# Altium PCB cam_cross_link_generic.PcbDoc (part 2 of 4)
Units mm, origin at the board's own origin, x right, y up, seen from the top; angles counter-clockwise.
Board outline 68.55 x 39.09 mm, 6 copper layers (Signal_T, GND_T, PWR, Signal_INT, GND_B, Signal_B), stack 0.816 mm thick; 173 components, 131 nets, 841 pads, 884 vias.
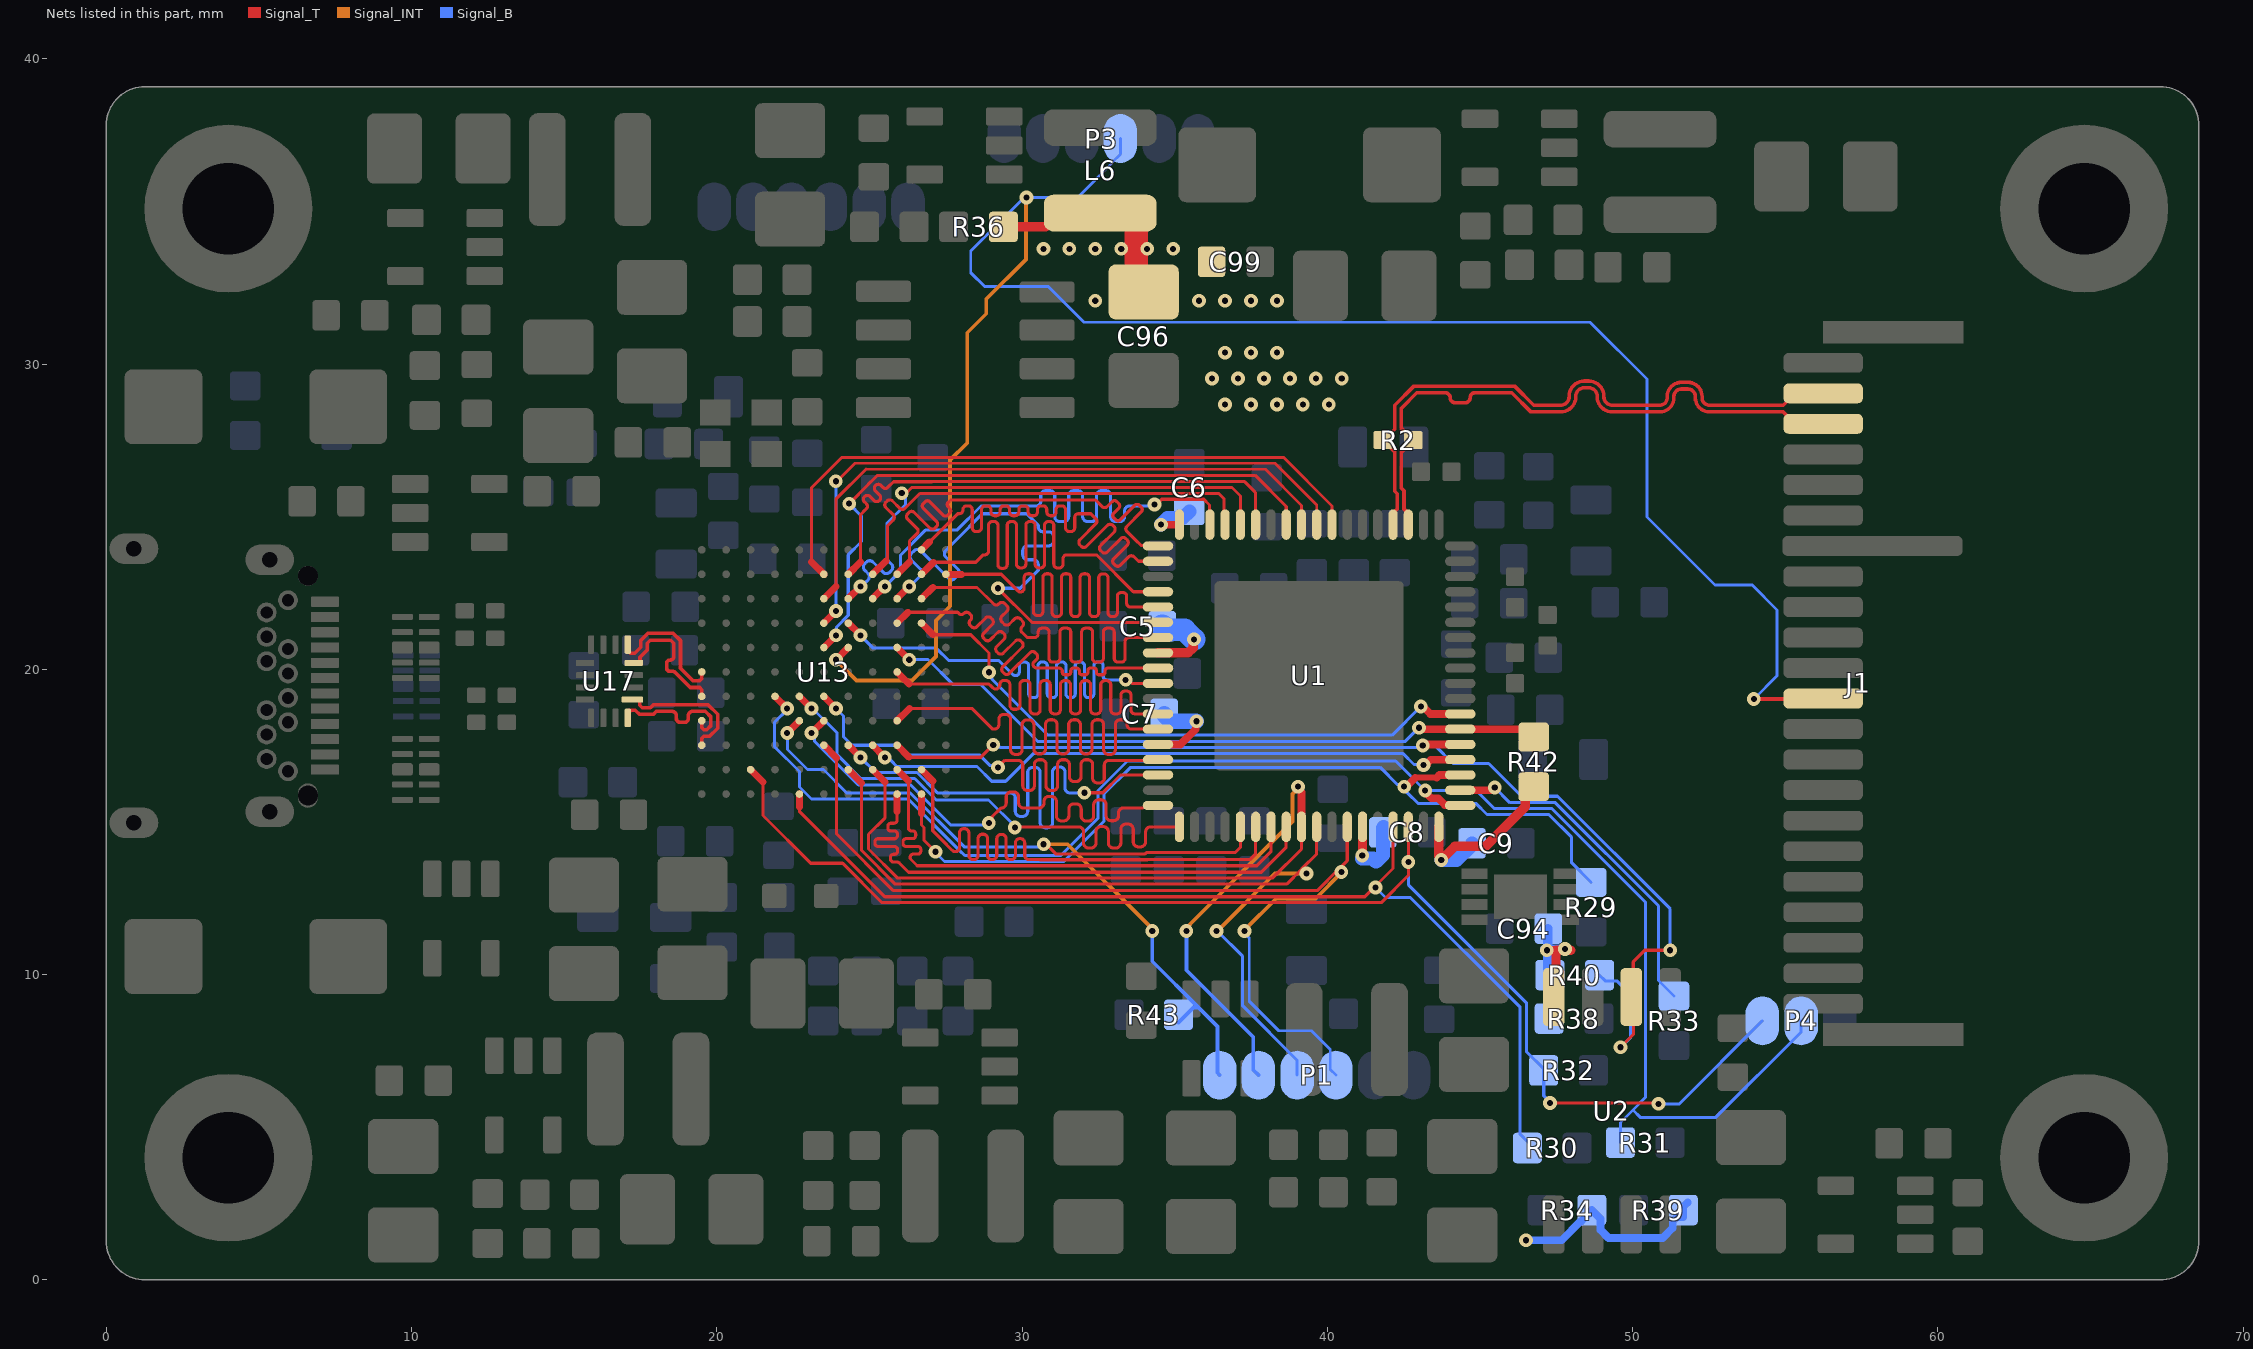
[diagram p6: the nets of this part, all layers, seen from the top]

## Via types
v1: diameter 0.45, hole 0.2, Signal_T to Signal_B, tented both sides, 865 vias
v2: diameter 0.5, hole 0.3, Signal_T to Signal_B, 9 vias
v3: diameter 0.45/0.2/0.2/0.2/0.2/0.2 (per signal layer), hole 0.2, Signal_T to Signal_B, tented both sides, 8 vias
v4: diameter 0.7, hole 0.3, Signal_T to Signal_B, 2 vias

## Nets (pads, with @x,y where several pads share a name; then routed paths per layer and width w, separated by ;. In a path a pad name is that pad's centre, name@x,y a point inside that pad or via, vN(x,y) a via of type N, cw(c..) or ccw(c..) an arc to the next point about the centre after c; other vN are vias at no path point) (continued)
CAM_D3_N: J1.20 R2.1 U1.3 | length 20.9
  Signal_T w0.117: U1.3@42.655,24.74 42.655,25.109 42.514,25.25 42.514,25.85 42.43,25.934 42.43,27.119 R2.1@42.82,27.51 42.58,27.75 42.566,27.75 42.43,27.887 42.43,28.557 42.932,29.059 43.155,29.059 43.864,29.059 cw(c43.864,28.897) 44.027,28.897 ; 44.027,28.895 ccw(c44.19,28.895) 44.19,28.733 44.516,28.733 ccw(c44.516,28.895) 44.678,28.895 ; 44.678,28.897 cw(c44.841,28.897) 44.841,29.059 45.542,29.059 46.044,29.059 46.671,28.431 47.168,28.431 47.473,28.431 47.641,28.431 ccw(c47.641,28.931) 48.14,28.931 48.14,28.944 cw(c48.421,28.944) 48.421,29.225 48.562,29.225 cw(c48.562,28.944) 48.842,28.944 48.842,28.931 ccw(c49.342,28.931) 49.342,28.431 49.987,28.431 50.724,28.431 50.892,28.431 ccw(c50.892,28.896) 51.357,28.896 51.357,28.938 cw(c51.602,28.938) 51.602,29.184 51.813,29.184 cw(c51.813,28.938) 52.059,28.938 52.059,28.896 ccw(c52.523,28.896) 52.523,28.431 53.188,28.431 53.315,28.431 54.936,28.431 55.327,28.041 J1.20@56.246,28.041
CAM_D3_P: J1.21 R2.2 U1.4 | length 20.9
  Signal_T w0.117: U1.4@42.155,24.74 42.155,25.109 42.295,25.25 42.295,25.749 42.211,25.834 ; 42.206,25.839 42.211,25.843 42.211,27.119 R2.2@41.82,27.51 42.061,27.75 42.098,27.75 42.211,27.862 42.211,28.648 42.841,29.278 46.134,29.278 46.762,28.65 47.168,28.65 47.473,28.65 47.641,28.65 ccw(c47.641,28.931) 47.922,28.931 47.922,28.944 cw(c48.421,28.944) 48.421,29.444 48.562,29.444 cw(c48.562,28.944) 49.061,28.944 49.061,28.931 ccw(c49.342,28.931) 49.342,28.65 49.987,28.65 50.724,28.65 50.892,28.65 ccw(c50.892,28.896) 51.138,28.896 51.138,28.938 cw(c51.602,28.938) 51.602,29.403 51.813,29.403 cw(c51.813,28.938) 52.277,28.938 52.277,28.896 ccw(c52.523,28.896) 52.523,28.65 53.188,28.65 53.315,28.65 54.936,28.65 55.327,29.041 J1.21@56.246,29.041
CAM_GPIO: J1.11 P3.4 U13.G7 | length 67.3
  Signal_T w0.127: v1(53.975,19.025) 56.23,19.025 J1.11@56.246,19.041
  Signal_T w0.229: v1@23.904,20.31 U13.G7@24.307,20.713
  Signal_INT w0.127: v1@23.903,20.31 24.579,19.634 26.391,19.634 27.178,20.422 27.178,21.601 27.643,22.066 27.643,26.856 28.207,27.419 28.207,31.026 28.829,31.648 28.829,32.131 30.124,33.426 30.124,35.433 v1(30.15,35.458)
  Signal_B w0.096: P3.4@33.223,37.389 33.223,36.876 32.968,36.621 32.968,36.6 31.826,35.458 30.076,35.458 28.321,33.703 28.321,32.995 28.778,32.537 30.861,32.537 32.029,31.369 48.609,31.369 50.47,29.508 50.47,24.987 52.698,22.758 53.924,22.758 54.737,21.946 54.737,19.787 v1(53.975,19.025)
  other v1: 23.907,20.313
CSS: R33.2 U1.56 | length 11.3
  Signal_T w0.254: U1.56@44.355,16.04 45.398,16.04 v1(45.486,16.128)
  Signal_B w0.102: v1(45.486,16.128) 45.981,15.634 47.469,15.634 50.851,12.252 50.851,9.805 R33.2@51.359,9.297
DQ0_MOSI: R29.2 U1.57 U13.K1 | length 29.6
  Signal_T w0.102: 26.707,15.279 26.707,14.902 26.79,14.82 26.79,14.401 v1(27.167,14.024)
  Signal_T w0.201: 42.882,16.45 43.589,16.45
  Signal_T w0.229: 26.707,15.279 U13.K1@26.707,15.913
  Signal_T w0.254: v1(42.52,16.154) 42.586,16.154 42.882,16.45 ; 43.589,16.45 43.678,16.54 U1.57@44.355,16.54
  Signal_B w0.096: v1(27.167,14.024) 27.167,13.996 27.457,13.706 31.367,13.706 32.684,15.022 32.684,15.914 33.559,16.788 41.733,16.788 42.301,16.221 42.453,16.221 v1(42.52,16.154) 42.52,16.06 42.637,15.942 ; 42.637,15.942 42.969,15.61 44.865,15.61 45.231,15.244 45.393,15.244 45.394,15.243 47.257,15.243 48.006,14.495 48.006,13.66 R29.2@48.644,13.023
DQ1_MISO: R30.2 U1.51 U13.E1 | length 33.8
  Signal_T w0.102: 22.707,15.482 22.707,15.348 25.506,12.55 41.231,12.55 v1@41.554,12.873 ; v1(41.582,12.851) 41.582,12.9 42.155,13.474 U1.51@42.155,14.84
  Signal_T w0.229: 22.707,15.482 U13.E1@22.707,15.913
  Signal_B w0.102: v1(41.582,12.851) 41.91,12.522 42.723,12.522 46.316,8.929 46.316,4.763 R30.2@46.558,4.521
DQ2: P4.2 R31.2 U1.55 U13.D5 | length 52.8
  Signal_T w0.229: U13.D5@21.907,19.113 v1@22.326,18.694
  Signal_T w0.254: v1(43.205,16.027) 43.205,15.977 43.409,15.773 43.637,15.773 43.852,15.558 44.336,15.558 U1.55@44.355,15.54
  Signal_B w0.096: v1@22.327,18.694 21.895,18.262 21.895,17.464 22.708,16.651 22.708,16.144 23.103,15.748 26.274,15.748 28.028,13.994 28.03,13.994 28.126,13.897 31.271,13.897 32.492,15.119 32.492,15.993 32.493,15.994 32.493,16.034 33.452,16.993 42.24,16.993 v1(43.205,16.027) 44.881,16.027 45.474,15.435 47.365,15.435 50.419,12.381 50.419,5.969 50.012,5.562 ; R31.2@49.606,4.496 49.606,5.156 50.012,5.562 ; P4.2@55.524,8.484 55.524,8.117 52.73,5.322 50.253,5.322 50.012,5.562
  other v1: 22.307,18.713
DQ3: P4.1 R32.2 U1.52 U13.C2 | length 43.9
  Signal_T w0.096: 24.124,13.646 25.416,12.354 41.767,12.354 42.655,13.241
  Signal_T w0.102: 21.514,16.307 21.514,15.21 23.078,13.646 24.124,13.646 ; 42.655,13.241 v1(42.655,13.691) U1.52@42.655,14.84 ; v1(47.295,5.791) 50.825,5.791 v1(50.851,5.766)
  Signal_T w0.229: U13.C2@21.107,16.713 21.514,16.307
  Signal_B w0.102: v1(42.655,13.691) 42.655,12.946 46.523,9.077 46.523,7.478 47.091,6.91 47.091,6.025 47.295,5.822 v1(47.295,5.791) ; v1(50.851,5.766) 51.537,5.766 P4.1@54.254,8.484
FPGA_1V8: C5.2 C6.2 C7.2 C8.2 C9.2 C94.2 C96.1 C99.2 L6.2 R34.1 R36.1 R38.1 R39.1 R40.1 R42.1 U1.18 U1.26 U1.32 U1.49 U1.54 U2.8 | length 37
  Signal_T w0.254: U1.32@34.455,17.54 35.193,17.54 35.689,18.036 v1@35.689,18.249 ; v1(34.556,24.74) U1.18@35.155,24.74
  Signal_T w0.305: R36.1@29.388,34.493 30.779,34.493 31.233,34.947 L6.2@32.563,34.947 ; U1.26@34.455,20.54 35.449,20.54 35.608,20.699 35.608,20.953 v1(35.636,20.98) ; v1@41.155,13.903 U1.49@41.155,14.84 ; U1.54@43.655,14.84 43.655,13.871 43.734,13.792 v1(43.734,13.753) 44.18,14.199 45.187,14.199 46.481,15.493 46.481,15.874 R42.1@46.761,16.154 ; v1(47.193,10.795) 47.198,10.79 47.495,10.79 47.495,9.268 U2.8@47.498,9.265 ; 47.495,10.795 v1@47.981,10.795
  Signal_T w0.762: L6.2@32.563,34.947 33.527,34.947 33.746,34.728 33.746,32.601 C96.1@33.985,32.362
  Signal_B w0.254: v1(46.507,1.295) 47.676,1.295 48.294,1.913 48.319,1.913 48.667,2.261 R34.1@48.667,2.286 48.951,2.001 48.951,1.634 49.214,1.372 50.988,1.372 51.316,1.7 51.316,1.913 51.451,2.048 51.664,2.048 R39.1@51.664,2.286 ; R39.1@51.664,2.388 R39.1@51.812,2.536
  Signal_B w0.305: v1@47.117,10.829 v1@47.828,10.829 ; v1(47.193,10.795) 47.221,10.767 47.221,10.056 R40.1@47.294,9.982 47.269,9.957 R38.1@47.269,8.56 ; v1@47.219,10.795 C94.2@47.219,11.506
  Signal_B w0.457: v1(34.556,24.74) 34.767,24.95 35.262,24.95 C6.2@35.484,25.171 ; v1@41.145,13.799 41.493,13.799 41.596,13.695 41.821,13.92 41.821,14.808 41.847,14.834 C8.2@42.016,14.665 ; v1(43.734,13.753) 44.241,13.753 44.517,14.029 44.521,14.029 44.742,14.25 C9.2@44.742,14.3
  Signal_B w0.508: C7.2@34.658,18.542 34.658,18.495 34.854,18.299 v1(35.715,18.299)
  Signal_B w0.737: C5.2@34.664,21.293 35.323,21.293 v1(35.636,20.98)
  Signal_B w0.762: C5.2@34.595,21.412 34.595,21.362 C5.2@34.664,21.293
  other v1: 47.787,10.838 41.145,13.9 36.65,28.674 37.5,28.674 38.35,28.674 39.2,28.674 40.05,28.674 36.225,29.524 37.075,29.524 37.925,29.524 38.775,29.524 39.625,29.524 40.475,29.524 36.65,30.374 37.5,30.374 38.35,30.374 32.4,32.074 35.8,32.074 36.65,32.074 37.5,32.074 38.35,32.074 30.7,33.774 31.55,33.774 32.4,33.774 33.25,33.774 34.1,33.774 34.95,33.774
FPGA_CLK: U1.30 U13.J6 | length 20.6
  Signal_T w0.102: 26.3,19.521 28.917,19.521 28.956,19.482 29.046,19.392 ccw(c29.139,19.486) 29.271,19.486 29.271,19.498 cw(c29.404,19.498) 29.404,19.63 29.47,19.63 cw(c29.47,19.498) 29.602,19.498 29.602,18.823 ccw(c29.734,18.823) 29.734,18.69 29.8,18.69 ccw(c29.8,18.823) 29.933,18.823 29.933,19.498 cw(c30.065,19.498) 30.065,19.63 30.131,19.63 cw(c30.131,19.498) 30.263,19.498 30.263,18.671 ccw(c30.395,18.671) 30.395,18.539 30.461,18.539 ccw(c30.461,18.671) 30.594,18.671 30.594,19.498 cw(c30.726,19.498) 30.726,19.63 30.792,19.63 cw(c30.792,19.498) 30.924,19.498 30.924,18.672 ccw(c31.057,18.672) 31.057,18.54 31.123,18.54 ccw(c31.123,18.672) 31.255,18.672 31.255,19.495 cw(c31.387,19.495) 31.387,19.627 31.453,19.627 cw(c31.453,19.495) 31.586,19.495 31.586,18.672 ccw(c31.718,18.672) 31.718,18.54 31.784,18.54 ccw(c31.784,18.672) 31.916,18.672 31.916,19.495 cw(c32.048,19.495) 32.048,19.627 32.115,19.627 cw(c32.115,19.495) 32.247,19.495 32.247,18.672 ccw(c32.379,18.672) 32.379,18.54 32.445,18.54 ccw(c32.445,18.672) 32.577,18.672 32.577,19.495 cw(c32.71,19.495) 32.71,19.627 32.776,19.627 cw(c32.776,19.495) 32.908,19.495 32.908,18.672 ccw(c33.04,18.672) 33.04,18.54 33.106,18.54 ccw(c33.106,18.672) 33.239,18.672 33.239,19.154 cw(c33.371,19.154) 33.371,19.286 33.437,19.286 cw(c33.437,19.154) 33.569,19.154 33.569,18.672 ccw(c33.701,18.672) 33.701,18.54 33.926,18.54 U1.30@34.455,18.54
  Signal_T w0.229: U13.J6@25.907,19.913 26.3,19.521
FPGA_CTL0: U1.61 U13.K8 | length 20.1
  Signal_T w0.102: 27.088,21.133 28.321,21.133 28.918,20.536 v1(28.918,19.904)
  Signal_T w0.229: U13.K8@26.707,21.513 27.088,21.133
  Signal_T w0.254: v1(43.066,18.784) 43.133,18.784 43.377,18.54 U1.61@44.355,18.54
  Signal_B w0.102: v1(28.918,19.904) 28.918,19.81 29.018,19.71 29.018,19.674 30.85,17.842 42.124,17.842 v1(43.066,18.784)
FPGA_CTL1: R42.2 U1.60 U13.J7 | length 22.6
  Signal_T w0.102: U13.J7@25.907,20.713 25.951,20.713 U13.J7@26.007,20.658
  Signal_T w0.229: U13.J7@25.907,20.713 26.301,20.32 v1@26.314,20.32
  Signal_T w0.254: v1(43.002,18.085) 43.047,18.04 U1.60@44.355,18.04 46.502,18.04 R42.2@46.761,17.78
  Signal_B w0.102: v1@26.314,20.32 26.921,20.32 27.734,19.507 28.641,19.507 30.51,17.638 42.556,17.638 v1(43.002,18.085)
  other v1: 26.307,20.313
FPGA_D0: U1.8 U13.F10 | length 21.7
  Signal_T w0.096: 24.102,26.944 38.564,26.944 40.155,25.353
  Signal_T w0.102: 23.105,23.515 23.105,25.947 24.102,26.944 ; U1.8@40.155,24.74 40.155,25.353
  Signal_T w0.229: 23.105,23.515 U13.F10@23.507,23.113
FPGA_D1: U1.10 U13.F9 | length 20.2
  Signal_T w0.096: 24.889,26.553 37.972,26.553 39.155,25.37
  Signal_T w0.102: 23.901,22.707 23.901,25.566 24.889,26.553 ; U1.10@39.155,24.74 39.155,25.37
  Signal_T w0.229: U13.F9@23.507,22.313 23.901,22.707
FPGA_D2: U1.11 U13.F7 | length 21.1
  Signal_T w0.096: 25.266,26.354 37.636,26.354
  Signal_T w0.102: v1(24.336,25.426) 24.338,25.426 24.968,26.056 24.968,26.057 25.165,26.254 25.166,26.254 25.266,26.354 ; 37.636,26.354 38.655,25.335 U1.11@38.655,24.74
  Signal_T w0.229: U13.F7@23.507,20.713 v1@23.888,21.094
  Signal_B w0.102: v1@23.888,21.094 23.926,21.132 23.926,21.387 24.308,21.769 24.308,23.749 24.743,24.184 24.743,25.019 v1(24.336,25.426)
  other v1: 23.907,21.113
FPGA_D3: U1.13 U13.G10 | length 17.8
  Signal_T w0.096: 27.047,26.148 37.293,26.148
  Signal_T w0.102: 24.714,23.52 24.714,25.07 24.867,25.222 24.903,25.258 ccw(c24.822,25.339) 24.903,25.42 24.836,25.487 cw(c24.917,25.568) 24.836,25.649 24.854,25.667 cw(c24.935,25.586) 25.016,25.667 25.157,25.526 ccw(c25.238,25.607) 25.319,25.526 25.337,25.544 ccw(c25.256,25.625) 25.337,25.706 25.195,25.848 cw(c25.276,25.928) 25.195,26.009 25.213,26.027 cw(c25.294,25.946) 25.375,26.027 25.442,25.96 ccw(c25.523,26.041) 25.604,25.96 25.789,26.144 27.043,26.144 27.047,26.148 ; 37.293,26.148 37.643,25.798 U1.13@37.643,24.785
  Signal_T w0.229: U13.G10@24.307,23.113 24.714,23.52
FPGA_D4: U1.14 U13.G9 | length 17.6
  Signal_T w0.096: v1@26.154,25.78 26.215,25.78 26.388,25.953 27.123,25.953 27.124,25.954 36.875,25.954 37.155,25.674 U1.14@37.155,24.74
  Signal_T w0.229: U13.G9@24.307,22.313 24.702,22.708 v1@24.74,22.708
  Signal_B w0.102: v1@24.74,22.708 24.917,22.885 24.953,22.921 ccw(c24.845,23.029) 24.953,23.137 24.847,23.243 cw(c24.955,23.351) 24.847,23.459 24.901,23.513 cw(c25.009,23.405) 25.117,23.513 25.45,23.18 ccw(c25.558,23.288) 25.665,23.18 25.719,23.234 ccw(c25.611,23.342) 25.719,23.45 25.622,23.547 cw(c25.73,23.655) 25.578,23.655 25.578,24.165 25.578,24.79 26.187,25.4 26.187,25.747 v1@26.154,25.78
  other v1: 24.707,22.713 26.059,25.771
FPGA_D5: U1.9 U13.F8 | length 22
  Signal_T w0.096: v1(23.901,26.161) 23.94,26.161 24.53,26.751 38.285,26.751 39.655,25.382 U1.9@39.655,24.74
  Signal_T w0.229: U13.F8@23.507,21.513 v1@23.901,21.907
  Signal_B w0.102: v1@23.901,21.907 v1(23.901,26.161)
  other v1: 23.907,21.913
FPGA_D6: U1.15 U13.H10 | length 15.1
  Signal_T w0.096: 27.203,25.762 36.438,25.762
  Signal_T w0.102: 25.543,23.549 25.593,23.599 25.593,24.702 25.742,24.852 25.778,24.888 ccw(c25.692,24.974) 25.778,25.06 25.539,25.3 cw(c25.625,25.386) 25.539,25.472 25.582,25.516 cw(c25.668,25.429) 25.755,25.516 25.994,25.276 ccw(c26.08,25.363) 26.167,25.276 26.468,25.577 26.652,25.761 27.202,25.761 27.203,25.762 ; 36.438,25.762 36.62,25.58 U1.15@36.62,24.762
  Signal_T w0.229: U13.H10@25.107,23.113 25.543,23.549
FPGA_D7: U1.16 U13.H9 | length 18.5
  Signal_T w0.102: v1(34.341,25.396) 34.4,25.396 34.575,25.571 35.952,25.571 36.142,25.38 36.142,24.752 U1.16@36.155,24.74
  Signal_T w0.229: U13.H9@25.107,22.313 v1@25.502,22.708
  Signal_B w0.102: v1@25.502,22.708 26.022,23.228 26.022,23.745 26.835,24.557 27.862,24.557 28.654,25.349 30.404,25.349 30.455,25.349 ccw(c30.455,25.509) 30.615,25.509 30.615,25.695 cw(c30.775,25.695) 30.775,25.856 30.912,25.856 cw(c30.912,25.695) 31.072,25.695 31.072,25.003 ccw(c31.233,25.003) 31.233,24.843 31.37,24.843 ccw(c31.37,25.003) 31.53,25.003 31.53,25.695 cw(c31.69,25.695) 31.69,25.856 31.827,25.856 cw(c31.827,25.695) 31.988,25.695 31.988,25.003 ccw(c32.148,25.003) 32.148,24.843 32.285,24.843 ccw(c32.285,25.003) 32.445,25.003 32.445,25.695 cw(c32.605,25.695) 32.605,25.856 32.743,25.856 cw(c32.743,25.695) 32.903,25.695 32.903,25.003 ccw(c33.063,25.003) 33.063,24.843 33.2,24.843 ccw(c33.2,25.003) 33.36,25.003 33.36,25.189 cw(c33.521,25.189) 33.521,25.349 33.858,25.349 34.294,25.349 v1(34.341,25.396)
  other v1: 25.507,22.713
FPGA_D8: U1.19 U13.J10 | length 16
  Signal_T w0.102: 26.315,23.521 26.315,24.206 26.53,24.422 26.566,24.458 ccw(c26.491,24.533) 26.566,24.609 26.245,24.93 cw(c26.321,25.005) 26.245,25.081 26.31,25.146 cw(c26.386,25.07) 26.461,25.146 26.986,24.621 ccw(c27.062,24.696) 27.137,24.621 27.202,24.686 ccw(c27.126,24.761) 27.202,24.837 26.762,25.276 cw(c26.838,25.352) 26.762,25.427 26.827,25.492 cw(c26.903,25.417) 26.978,25.492 27.42,25.051 ccw(c27.495,25.126) 27.571,25.051 27.635,25.115 ccw(c27.56,25.191) 27.635,25.266 27.581,25.321 cw(c27.656,25.397) 27.581,25.472 27.657,25.548 28.009,25.548 32.41,25.548 32.596,25.362 32.632,25.326 ccw(c32.708,25.402) 32.783,25.326 32.953,25.496 cw(c33.029,25.42) 33.104,25.496 33.169,25.431 cw(c33.093,25.356) 33.169,25.28 33.001,25.112 ccw(c33.077,25.037) 33.001,24.961 33.066,24.897 ccw(c33.141,24.972) 33.217,24.897 33.693,25.373 cw(c33.769,25.297) 33.844,25.373 33.909,25.308 cw(c33.834,25.233) 33.909,25.157 33.431,24.679 ccw(c33.506,24.603) 33.431,24.527 33.729,24.229 33.896,24.062 U1.19@34.42,24.062
  Signal_T w0.229: U13.J10@25.907,23.113 26.315,23.521
FPGA_D9: U1.24 U13.J9 | length 19.1
  Signal_T w0.099: 30.327,21.54 U1.24@34.455,21.54
  Signal_T w0.102: v1(29.21,22.657) 30.327,21.54
  Signal_T w0.229: U13.J9@25.907,22.313 26.302,22.708 v1@26.314,22.708
  Signal_B w0.102: v1@26.314,22.708 26.639,23.032 26.675,23.068 ccw(c26.568,23.175) 26.675,23.282 26.376,23.581 cw(c26.483,23.688) 26.376,23.795 26.467,23.886 cw(c26.574,23.78) 26.681,23.886 27.59,22.978 ccw(c27.697,23.085) 27.804,22.978 27.895,23.07 ccw(c27.788,23.177) 27.895,23.284 27.5,23.679 cw(c27.607,23.786) 27.5,23.893 27.653,24.046 27.686,24.079 27.826,24.219 28.702,25.095 30.15,25.095 30.531,24.714 30.531,24.663 ccw(c30.691,24.663) 30.691,24.503 30.877,24.503 cw(c30.877,24.343) 31.037,24.343 31.037,24.206 cw(c30.877,24.206) 30.877,24.046 30.185,24.046 ccw(c30.185,23.885) 30.024,23.885 30.024,23.748 ccw(c30.185,23.748) 30.185,23.588 30.371,23.588 cw(c30.371,23.428) 30.531,23.428 30.531,23.241 30.404,23.114 29.947,22.657 v1(29.21,22.657)
  other v1: 26.307,22.713
FPGA_D10: U1.20 U13.K11 | length 18.3
  Signal_T w0.102: 26.972,24.178 27.891,25.097 27.942,25.097 ccw(c27.942,25.219) 28.064,25.219 28.064,25.233 cw(c28.186,25.233) 28.186,25.355 28.247,25.355 cw(c28.247,25.233) 28.369,25.233 28.369,24.636 ccw(c28.491,24.636) 28.491,24.514 28.552,24.514 ccw(c28.552,24.636) 28.674,24.636 28.674,25.233 cw(c28.796,25.233) 28.796,25.355 28.857,25.355 cw(c28.857,25.233) 28.979,25.233 28.979,25.154 ccw(c29.101,25.154) 29.101,25.032 29.162,25.032 ccw(c29.162,25.154) 29.285,25.154 29.285,25.233 cw(c29.407,25.233) 29.407,25.355 29.468,25.355 cw(c29.468,25.233) 29.59,25.233 29.59,25.154 ccw(c29.712,25.154) 29.712,25.032 29.773,25.032 ccw(c29.773,25.154) 29.895,25.154 29.895,25.233 cw(c30.017,25.233) 30.017,25.355 30.078,25.355 cw(c30.078,25.233) 30.2,25.233 30.2,25.154 ccw(c30.322,25.154) 30.322,25.032 30.383,25.032 ccw(c30.383,25.154) 30.505,25.154 30.505,25.233 cw(c30.627,25.233) 30.627,25.355 30.689,25.355 cw(c30.689,25.233) 30.811,25.233 30.811,25.154 ccw(c30.933,25.154) 30.933,25.032 30.994,25.032 ccw(c30.994,25.154) 31.116,25.154 31.116,25.233 cw(c31.238,25.233) 31.238,25.355 31.299,25.355 cw(c31.299,25.233) 31.421,25.233 31.421,24.636 ccw(c31.543,24.636) 31.543,24.514 31.604,24.514 ccw(c31.604,24.636) 31.726,24.636 31.726,24.975 cw(c31.848,24.975) 31.848,25.097 32.106,25.097 32.159,25.097 32.256,25.097 32.416,24.937 cw(c32.33,24.85) 32.416,24.764 31.897,24.245 ccw(c31.983,24.158) 31.897,24.072 31.94,24.029 ccw(c32.027,24.115) 32.113,24.029 32.8,24.716 cw(c32.886,24.63) 32.973,24.716 33.016,24.673 cw(c32.93,24.586) 33.016,24.5 32.574,24.059 ccw(c32.661,23.972) 32.574,23.886 32.618,23.843 ccw(c32.704,23.929) 32.79,23.843 33.229,24.282 cw(c33.316,24.196) 33.402,24.282 33.445,24.239 cw(c33.359,24.153) 33.445,24.066 33.006,23.627 ccw(c33.092,23.541) 33.006,23.454 33.049,23.411 ccw(c33.136,23.498) 33.222,23.411 33.496,23.685 cw(c33.582,23.599) 33.668,23.685 33.814,23.54 U1.20@34.455,23.54
  Signal_T w0.229: U13.K11@26.707,23.913 26.972,24.178
FPGA_D11: U1.23 U13.L10 | length 20.3
  Signal_T w0.102: 28.016,23.114 29.318,23.114 29.776,22.656 29.863,22.569 ccw(c29.949,22.656) 30.071,22.656 30.071,23.008 cw(c30.193,23.008) 30.193,23.13 30.254,23.13 cw(c30.254,23.008) 30.376,23.008 30.376,21.882 ccw(c30.498,21.882) 30.498,21.76 30.559,21.76 ccw(c30.559,21.882) 30.681,21.882 30.681,23.008 cw(c30.803,23.008) 30.803,23.13 30.865,23.13 cw(c30.865,23.008) 30.987,23.008 30.987,21.852 ccw(c31.109,21.852) 31.109,21.73 31.17,21.73 ccw(c31.17,21.852) 31.292,21.852 31.292,23.008 cw(c31.414,23.008) 31.414,23.13 31.475,23.13 cw(c31.475,23.008) 31.597,23.008 31.597,21.852 ccw(c31.719,21.852) 31.719,21.73 31.78,21.73 ccw(c31.78,21.852) 31.902,21.852 31.902,23.008 cw(c32.024,23.008) 32.024,23.13 32.085,23.13 cw(c32.085,23.008) 32.207,23.008 32.207,21.852 ccw(c32.33,21.852) 32.33,21.73 32.391,21.73 ccw(c32.391,21.852) 32.513,21.852 32.513,23.001 cw(c32.635,23.001) 32.635,23.123 32.696,23.123 cw(c32.696,23.001) 32.818,23.001 32.818,21.852 ccw(c32.94,21.852) 32.94,21.73 33.001,21.73 ccw(c33.001,21.852) 33.123,21.852 33.123,22.39 cw(c33.245,22.39) 33.245,22.513 33.306,22.513 cw(c33.306,22.39) 33.428,22.39 33.428,22.162 ccw(c33.55,22.162) 33.55,22.04 33.757,22.04 U1.23@34.455,22.04
  Signal_T w0.229: U13.L10@27.507,23.113 28.016,23.113
FPGA_D12: U1.22 U13.K10 | length 19.7
  Signal_T w0.102: 27.101,23.507 28.489,23.507 28.731,23.749 28.782,23.749 ccw(c28.782,23.871) 28.904,23.871 28.904,24.716 cw(c29.026,24.716) 29.026,24.839 29.087,24.839 cw(c29.087,24.716) 29.209,24.716 29.209,23.43 ccw(c29.331,23.43) 29.331,23.308 29.392,23.308 ccw(c29.392,23.43) 29.514,23.43 29.514,24.716 cw(c29.636,24.716) 29.636,24.839 29.697,24.839 cw(c29.697,24.716) 29.82,24.716 29.82,23.445 ccw(c29.942,23.445) 29.942,23.323 30.003,23.323 ccw(c30.003,23.445) 30.125,23.445 30.125,24.716 cw(c30.247,24.716) 30.247,24.839 30.308,24.839 cw(c30.308,24.716) 30.43,24.716 30.43,23.445 ccw(c30.552,23.445) 30.552,23.323 30.613,23.323 ccw(c30.613,23.445) 30.735,23.445 30.735,24.716 cw(c30.857,24.716) 30.857,24.839 30.918,24.839 cw(c30.918,24.716) 31.04,24.716 31.04,23.444 ccw(c31.162,23.444) 31.162,23.322 31.223,23.322 ccw(c31.223,23.444) 31.346,23.444 31.346,23.627 cw(c31.468,23.627) 31.468,23.749 31.708,23.749 32.438,23.749 33.647,22.54 U1.22@34.455,22.54
  Signal_T w0.229: U13.K10@26.707,23.113 27.101,23.507
FPGA_D13: U1.25 U13.K9 | length 17.6
  Signal_T w0.102: 27.076,22.682 28.526,22.682 29.065,22.143 ccw(c29.154,22.231) 29.242,22.143 29.255,22.156 cw(c29.343,22.068) 29.431,22.156 29.507,22.08 cw(c29.418,21.992) 29.507,21.904 29.336,21.734 ccw(c29.424,21.646) 29.336,21.558 29.412,21.482 ccw(c29.5,21.57) 29.588,21.482 29.761,21.656 cw(c29.849,21.567) 29.937,21.656 30.013,21.58 cw(c29.925,21.492) 30.013,21.404 29.997,21.388 ccw(c30.085,21.299) 29.997,21.211 30.169,21.04 30.336,21.04 30.353,21.04 30.404,21.04 ccw(c30.404,21.164) 30.528,21.164 30.528,21.223 cw(c30.653,21.223) 30.653,21.347 30.76,21.347 cw(c30.76,21.223) 30.884,21.223 30.884,20.358 ccw(c31.009,20.358) 31.009,20.233 31.116,20.233 ccw(c31.116,20.358) 31.24,20.358 31.24,21.223 cw(c31.365,21.223) 31.365,21.347 31.472,21.347 cw(c31.472,21.223) 31.596,21.223 31.596,20.358 ccw(c31.721,20.358) 31.721,20.233 31.828,20.233 ccw(c31.828,20.358) 31.952,20.358 31.952,21.223 cw(c32.077,21.223) 32.077,21.347 32.184,21.347 cw(c32.184,21.223) 32.308,21.223 32.308,20.358 ccw(c32.433,20.358) 32.433,20.233 32.54,20.233 ccw(c32.54,20.358) 32.664,20.358 32.664,21.223 cw(c32.789,21.223) 32.789,21.347 32.896,21.347 cw(c32.896,21.223) 33.02,21.223 33.02,20.358 ccw(c33.145,20.358) 33.145,20.233 33.252,20.233 ccw(c33.252,20.358) 33.376,20.358 33.376,20.915 cw(c33.501,20.915) 33.501,21.04 33.856,21.04 U1.25@34.455,21.04
  Signal_T w0.229: U13.K9@26.707,22.313 27.076,22.682
FPGA_D14: U1.27 U13.J8 | length 15.5
  Signal_T w0.102: 26.263,21.869 27.889,21.869 27.925,21.833 ccw(c28.011,21.92) 28.098,21.833 ; 28.098,21.834 cw(c28.185,21.748) 28.271,21.834 28.314,21.791 cw(c28.228,21.705) 28.314,21.618 28.305,21.609 ccw(c28.391,21.522) 28.305,21.436 28.348,21.393 ccw(c28.434,21.479) 28.521,21.393 28.81,21.682 cw(c28.896,21.596) 28.982,21.682 29.025,21.639 cw(c28.939,21.552) 29.025,21.466 28.745,21.186 ccw(c28.832,21.1) 28.745,21.013 28.788,20.97 ccw(c28.875,21.057) 28.961,20.97 29.195,21.204 cw(c29.281,21.118) 29.367,21.204 29.411,21.161 cw(c29.324,21.074) 29.411,20.988 29.171,20.749 ccw(c29.258,20.663) 29.171,20.576 29.215,20.533 ccw(c29.301,20.619) 29.387,20.533 29.784,20.93 cw(c29.87,20.843) 29.956,20.93 30,20.887 cw(c29.913,20.8) 30,20.714 29.369,20.083 ccw(c29.455,19.997) 29.369,19.91 29.412,19.867 ccw(c29.498,19.954) 29.585,19.867 30.261,20.544 cw(c30.347,20.458) 30.434,20.544 30.477,20.501 cw(c30.391,20.414) 30.477,20.328 30.397,20.248 ccw(c30.483,20.162) 30.483,20.04 30.885,20.04 31.216,20.04 cw(c31.216,19.938) 31.318,19.938 31.318,19.905 ccw(c31.402,19.905) 31.402,19.821 31.513,19.821 ccw(c31.513,19.905) 31.597,19.905 31.597,19.956 cw(c31.681,19.956) 31.681,20.04 31.793,20.04 cw(c31.793,19.956) 31.877,19.956 31.877,19.905 ccw(c31.961,19.905) 31.961,19.821 32.073,19.821 ccw(c32.073,19.905) 32.157,19.905 32.157,19.956 cw(c32.241,19.956) 32.241,20.04 32.353,20.04 cw(c32.353,19.956) 32.437,19.956 32.437,19.905 ccw(c32.521,19.905) 32.521,19.821 32.633,19.821 ccw(c32.633,19.905) 32.717,19.905 32.717,19.938 cw(c32.818,19.938) 32.818,20.04 33.807,20.04 U1.27@34.455,20.04
  Signal_T w0.229: U13.J8@25.907,21.513 26.263,21.869
FPGA_D15: U1.28 U13.G8 | length 20.2
  Signal_T w0.102: v1(33.395,19.654) 33.489,19.654 33.603,19.54 U1.28@34.455,19.54
  Signal_T w0.229: U13.G8@24.307,21.513 v1@24.703,21.118
  Signal_B w0.102: v1@24.703,21.117 25.125,20.695 27.194,20.695 27.607,20.283 29.247,20.283 29.616,19.914 29.703,19.827 ccw(c29.789,19.913) 29.911,19.913 29.911,20.114 cw(c30.033,20.114) 30.033,20.236 30.095,20.236 cw(c30.095,20.114) 30.217,20.114 30.217,19.193 ccw(c30.339,19.193) 30.339,19.071 30.4,19.071 ccw(c30.4,19.193) 30.522,19.193 30.522,20.114 cw(c30.644,20.114) 30.644,20.236 30.705,20.236 cw(c30.705,20.114) 30.827,20.114 30.827,19.193 ccw(c30.949,19.193) 30.949,19.071 31.01,19.071 ccw(c31.01,19.193) 31.132,19.193 31.132,20.114 cw(c31.254,20.114) 31.254,20.236 31.315,20.236 cw(c31.315,20.114) 31.437,20.114 31.437,19.193 ccw(c31.559,19.193) 31.559,19.071 31.621,19.071 ccw(c31.621,19.193) 31.743,19.193 31.743,20.114 cw(c31.865,20.114) 31.865,20.236 31.926,20.236 cw(c31.926,20.114) 32.048,20.114 32.048,19.193 ccw(c32.17,19.193) 32.17,19.071 32.231,19.071 ccw(c32.231,19.193) 32.353,19.193 32.353,20.114 cw(c32.475,20.114) 32.475,20.236 32.536,20.236 cw(c32.536,20.114) 32.658,20.114 32.658,19.776 ccw(c32.78,19.776) 32.78,19.654 32.995,19.654 v1(33.395,19.654)
  other v1: 24.707,21.113
FPGA_D16: U1.42 U13.K2 | length 19.5
  Signal_T w0.102: 27.076,16.344 27.076,14.707 27.35,14.433 27.717,14.066 ccw(c27.814,14.163) 27.952,14.163 27.952,14.642 cw(c28.089,14.642) 28.089,14.779 28.12,14.779 cw(c28.12,14.642) 28.257,14.642 28.257,13.902 ccw(c28.394,13.902) 28.394,13.765 28.425,13.765 ccw(c28.425,13.902) 28.562,13.902 28.562,14.46 cw(c28.7,14.46) 28.7,14.597 28.73,14.597 cw(c28.73,14.46) 28.867,14.46 28.867,13.902 ccw(c29.005,13.902) 29.005,13.765 29.035,13.765 ccw(c29.035,13.902) 29.173,13.902 29.173,14.452 cw(c29.31,14.452) 29.31,14.589 29.34,14.589 cw(c29.34,14.452) 29.478,14.452 29.478,13.902 ccw(c29.615,13.902) 29.615,13.765 29.646,13.765 ccw(c29.646,13.902) 29.783,13.902 29.783,14.315 cw(c29.92,14.315) 29.92,14.453 29.951,14.453 cw(c29.951,14.315) 30.088,14.315 30.088,13.902 ccw(c30.226,13.902) 30.226,13.765 30.582,13.765 30.584,13.763 34.113,13.763 37.461,13.763 37.655,13.956 U1.42@37.655,14.84
  Signal_T w0.229: U13.K2@26.707,16.713 27.076,16.344
FPGA_D17: U1.31 U13.J4 | length 19.6
  Signal_T w0.102: 26.314,18.72 28.358,18.72 29.038,18.04 29.089,18.04 ccw(c29.089,18.192) 29.242,18.192 29.242,18.368 cw(c29.394,18.368) 29.394,18.521 29.471,18.521 cw(c29.471,18.368) 29.623,18.368 29.623,17.365 ccw(c29.776,17.365) 29.776,17.212 29.852,17.212 ccw(c29.852,17.365) 30.005,17.365 30.005,18.193 cw(c30.157,18.193) 30.157,18.345 30.233,18.345 cw(c30.233,18.193) 30.386,18.193 30.386,17.384 ccw(c30.538,17.384) 30.538,17.231 30.615,17.231 ccw(c30.615,17.384) 30.767,17.384 30.767,18.193 cw(c30.92,18.193) 30.92,18.346 30.996,18.346 cw(c30.996,18.193) 31.149,18.193 31.149,17.384 ccw(c31.301,17.384) 31.301,17.231 31.378,17.231 ccw(c31.378,17.384) 31.53,17.384 31.53,18.193 cw(c31.683,18.193) 31.683,18.346 31.759,18.346 cw(c31.759,18.193) 31.912,18.193 31.912,17.384 ccw(c32.064,17.384) 32.064,17.231 32.14,17.231 ccw(c32.14,17.384) 32.293,17.384 32.293,18.193 cw(c32.445,18.193) 32.445,18.346 32.522,18.346 cw(c32.522,18.193) 32.674,18.193 32.674,17.365 ccw(c32.827,17.365) 32.827,17.212 32.903,17.212 ccw(c32.903,17.365) 33.056,17.365 33.056,18.193 cw(c33.208,18.193) 33.208,18.346 33.285,18.346 cw(c33.285,18.193) 33.437,18.193 33.437,18.192 ccw(c33.59,18.192) 33.59,18.04 33.884,18.04 U1.31@34.455,18.04
  Signal_T w0.229: U13.J4@25.907,18.313 26.314,18.72
FPGA_D19: U1.43 U13.J2 | length 17.2
  Signal_T w0.102: 26.278,16.342 26.278,15.672 26.278,14.808 ccw(c26.38,14.808) 26.38,14.706 26.415,14.706 cw(c26.415,14.604) 26.517,14.604 26.517,14.554 cw(c26.415,14.554) 26.415,14.452 26.2,14.452 ccw(c26.2,14.35) 26.098,14.35 26.098,14.299 ccw(c26.2,14.299) 26.2,14.197 26.582,14.197 cw(c26.582,14.096) 26.684,14.096 26.684,14.045 cw(c26.582,14.045) 26.582,13.943 26.435,13.943 ccw(c26.435,13.841) 26.363,13.769 26.545,13.587 26.567,13.565 37.695,13.565 38.151,14.021 38.151,14.836 U1.43@38.155,14.84
  Signal_T w0.229: U13.J2@25.907,16.713 26.278,16.342
FPGA_D20: R40.2 U1.59 U2.6 U13.J3 | length 38
  Signal_T w0.102: 26.301,17.12 28.651,17.12 v1(29.058,17.526) ; v1(49.606,7.62) 50.038,8.052 50.038,9.265 50.024,9.279 50.024,10.417 50.401,10.795 v1(51.232,10.795)
  Signal_T w0.229: U13.J3@25.907,17.513 26.301,17.12
  Signal_T w0.254: v1(43.129,17.501) 43.168,17.54 U1.59@44.355,17.54
  Signal_B w0.102: v1(29.058,17.526) 29.124,17.459 29.267,17.459 29.291,17.435 43.064,17.435 v1(43.129,17.501) 43.536,17.501 44.12,16.916 45.288,16.916 46.365,15.84 47.543,15.84 51.232,12.151 v1(51.232,10.795) ; R40.2@48.92,9.982 49.107,9.795 49.488,9.795 49.936,9.347 49.936,7.95 v1(49.606,7.62)
FPGA_D21: U1.44 U13.J1 | length 18.2
  Signal_T w0.102: 25.907,15.342 25.907,15.059 cw(c25.806,15.059) 25.806,14.958 25.705,14.958 ccw(c25.705,14.856) 25.603,14.856 25.603,14.805 ccw(c25.705,14.805) 25.705,14.703 25.814,14.703 cw(c25.814,14.601) 25.916,14.601 25.916,14.551 cw(c25.814,14.551) 25.814,14.449 25.283,14.449 ccw(c25.283,14.347) 25.181,14.347 25.181,14.296 ccw(c25.283,14.296) 25.283,14.194 25.821,14.194 cw(c25.821,14.093) 25.922,14.093 25.922,14.042 cw(c25.821,14.042) 25.821,13.94 25.792,13.94 ccw(c25.792,13.838) 25.69,13.838 25.69,13.787 ccw(c25.792,13.787) 25.792,13.686 25.906,13.686 cw(c25.906,13.584) 25.978,13.656 26.05,13.584 26.282,13.352 37.84,13.352 38.642,14.154 38.642,14.827 U1.44@38.655,14.84
  Signal_T w0.229: 25.907,15.342 U13.J1@25.907,15.913
FPGA_D22: P1.5 U1.45 U13.H2 | length 31.8
  Signal_T w0.102: 25.516,16.305 25.516,15.14 24.968,14.592 24.968,14.115 25.926,13.157 38.202,13.157 39.155,14.11 U1.45@39.155,14.84
  Signal_T w0.229: U13.H2@25.107,16.713 25.516,16.305
  Signal_T w0.254: U1.45@39.155,14.84 v1@39.155,15.973
  Signal_INT w0.127: v1(35.382,11.43) 35.382,11.517 35.498,11.633 35.498,11.648 38.862,15.011 38.862,15.916 39.04,16.094 v1(39.04,16.154)
  Signal_B w0.127: v1(35.382,11.43) 35.382,10.141 37.575,7.949 37.575,6.875 P1.5@37.744,6.706
FPGA_D23: U1.58 U13.H3 | length 20.3
  Signal_T w0.229: U13.H3@25.107,17.513 v1@25.501,17.12
  Signal_T w0.254: v1(43.155,16.866) 43.221,16.866 43.395,17.04 U1.58@44.355,17.04
  Signal_B w0.102: v1@25.502,17.12 25.596,17.12 25.714,17.001 25.901,16.815 28.524,16.815 29.007,16.332 29.464,16.332 30.369,17.238 42.486,17.238 42.841,16.882 43.138,16.882 v1(43.155,16.866)
  other v1: 25.507,17.113
FPGA_D24: U1.36 U13.F4 | length 17.5
  Signal_T w0.102: v1(28.914,14.962) 28.914,15.056 29.028,15.17 29.028,15.178 29.269,15.42 29.307,15.458 29.32,15.458 ccw(c29.32,15.621) 29.483,15.621 29.483,15.822 cw(c29.646,15.822) 29.646,15.984 29.727,15.984 cw(c29.727,15.822) 29.89,15.822 29.89,15.621 ccw(c30.052,15.621) 30.052,15.458 30.505,15.458 30.556,15.458 ccw(c30.556,15.621) 30.719,15.621 30.719,15.675 cw(c30.882,15.675) 30.882,15.837 30.963,15.837 cw(c30.963,15.675) 31.126,15.675 31.126,15.196 ccw(c31.288,15.196) 31.288,15.033 31.37,15.033 ccw(c31.37,15.196) 31.533,15.196 31.533,15.427 cw(c31.695,15.427) 31.695,15.589 31.777,15.589 cw(c31.777,15.427) 31.939,15.427 31.939,15.195 ccw(c32.102,15.195) 32.102,15.032 32.183,15.032 ccw(c32.183,15.195) 32.346,15.195 32.346,15.562 cw(c32.509,15.562) 32.509,15.725 32.59,15.725 cw(c32.59,15.562) 32.753,15.562 32.753,15.202 ccw(c32.916,15.202) 32.916,15.039 32.997,15.039 ccw(c32.997,15.202) 33.16,15.202 33.16,15.295 cw(c33.322,15.295) 33.322,15.458 33.731,15.458 33.969,15.458 34.051,15.54 U1.36@34.455,15.54
  Signal_T w0.229: v1@23.139,17.958 23.152,17.958 U13.F4@23.507,18.313
  Signal_B w0.096: v1@23.139,17.958 23.206,17.891 23.206,17.64 24.638,16.209 26.355,16.209 27.67,14.894 28.68,14.894 28.847,14.895 v1(28.914,14.962)
  other v1: 23.107,17.913
FPGA_D25: P1.4 U1.46 U13.G2 | length 29
  Signal_T w0.102: 24.74,16.281 24.74,14.068 25.845,12.963 38.668,12.963 v1@39.158,13.453 ; v1@39.167,13.462 39.647,13.942 39.647,14.832 U1.46@39.655,14.84
  Signal_T w0.229: U13.G2@24.307,16.713 24.74,16.281
  Signal_INT w0.127: v1(36.373,11.43) 36.398,11.43 38.278,13.31 v1(39.319,13.31)
  Signal_B w0.096: v1(36.373,11.43) 36.394,11.43 37.227,10.597 37.227,8.975 39.014,7.188 P1.4@39.014,6.706
FPGA_D26: U1.34 U13.G3 | length 17.5
  Signal_T w0.102: v1(32.042,15.957) 32.645,15.957 33.227,16.54 U1.34@34.455,16.54
  Signal_T w0.229: U13.G3@24.307,17.513 24.699,17.122 v1@24.701,17.122
  Signal_B w0.102: v1@24.701,17.122 25.206,16.617 26.559,16.617 27.225,15.951 29.159,15.951 29.617,15.951 cw(c29.617,15.788) 29.78,15.788 29.78,15.345 ccw(c29.942,15.345) 29.942,15.182 30.024,15.182 ccw(c30.024,15.345) 30.186,15.345 30.186,16.622 cw(c30.349,16.622) 30.349,16.785 30.43,16.785 cw(c30.43,16.622) 30.593,16.622 30.593,14.973 ccw(c30.756,14.973) 30.756,14.81 30.837,14.81 ccw(c30.837,14.973) 31,14.973 31,16.636 cw(c31.163,16.636) 31.163,16.799 31.244,16.799 cw(c31.244,16.636) 31.407,16.636 31.407,16.114 ccw(c31.569,16.114) 31.569,15.951 32.036,15.951 v1(32.042,15.957)
  other v1: 24.707,17.113
FPGA_D27: P1.3 U1.48 U13.F3 | length 32.6
  Signal_T w0.102: 23.927,17.094 23.927,14.605 25.784,12.748 39.672,12.748 v1@40.386,13.462 ; v1@40.488,13.564 40.655,13.731 U1.48@40.655,14.84
  Signal_T w0.229: U13.F3@23.507,17.513 23.927,17.094
  Signal_INT w0.127: v1(37.287,11.43) 37.287,11.455 38.329,12.497 39.624,12.497 v1@40.488,13.36
  Signal_B w0.096: v1(37.287,11.43) 37.287,11.351 37.444,11.194 37.444,9.127 38.413,8.159 39.482,8.159 40.098,7.543 40.098,6.892 P1.3@40.284,6.706
  other v1: 40.46,13.36
FPGA_D28: U1.33 U13.F5 | length 18.3
  Signal_T w0.102: v1(29.21,16.789) 29.439,17.019 29.872,17.019 cw(c29.872,16.866) 30.024,16.866 30.024,16.182 ccw(c30.177,16.182) 30.177,16.03 30.253,16.03 ccw(c30.253,16.182) 30.406,16.182 30.406,16.885 cw(c30.558,16.885) 30.558,17.038 30.634,17.038 cw(c30.634,16.885) 30.787,16.885 30.787,16.183 ccw(c30.94,16.183) 30.94,16.031 31.016,16.031 ccw(c31.016,16.183) 31.168,16.183 31.168,16.885 cw(c31.321,16.885) 31.321,17.038 31.397,17.038 cw(c31.397,16.885) 31.55,16.885 31.55,16.478 ccw(c31.702,16.478) 31.702,16.325 31.779,16.325 ccw(c31.779,16.478) 31.931,16.478 31.931,16.885 cw(c32.084,16.885) 32.084,17.038 32.16,17.038 cw(c32.16,16.885) 32.313,16.885 32.313,16.433 ccw(c32.465,16.433) 32.465,16.28 32.541,16.28 ccw(c32.541,16.433) 32.694,16.433 32.694,16.866 cw(c32.847,16.866) 32.847,17.019 33.772,17.019 34.434,17.019 U1.33@34.455,17.04
  Signal_T w0.229: U13.F5@23.507,19.113 v1@23.876,18.745
  Signal_B w0.102: v1@23.876,18.745 24.151,18.471 24.151,17.787 24.425,17.512 25.922,17.512 26.238,17.196 28.6,17.196 28.943,16.853 29.146,16.853 v1(29.21,16.789)
  other v1: 23.907,18.713
FPGA_D30: U1.37 U13.E5 | length 18.1
  Signal_T w0.102: v1(29.765,14.817) 29.787,14.84 30.582,14.84 31.853,14.84 cw(c31.853,14.677) 32.016,14.677 32.016,14.31 ccw(c32.178,14.31) 32.178,14.148 32.26,14.148 ccw(c32.26,14.31) 32.422,14.31 32.422,14.684 cw(c32.585,14.684) 32.585,14.847 32.666,14.847 cw(c32.666,14.684) 32.829,14.684 32.829,14.31 ccw(c32.992,14.31) 32.992,14.148 33.073,14.148 ccw(c33.073,14.31) 33.236,14.31 33.236,14.765 cw(c33.399,14.765) 33.399,14.928 33.48,14.928 cw(c33.48,14.765) 33.643,14.765 33.643,14.347 ccw(c33.806,14.347) 33.806,14.184 33.887,14.184 ccw(c33.887,14.347) 34.05,14.347 34.05,14.677 cw(c34.212,14.677) 34.212,14.84 34.798,14.84 U1.37@35.155,14.84
  Signal_T w0.229: U13.E5@22.707,19.113 23.089,18.732 v1@23.089,18.72
  Signal_B w0.096: v1@23.089,18.72 23.137,18.72 23.945,17.912 23.945,17.203 24.725,16.423 26.482,16.423 27.145,15.76 27.147,15.76 27.184,15.723 28.905,15.723 29.765,14.863 v1(29.765,14.817)
  other v1: 23.107,18.713
FPGA_D31: P1.6 R43.2 U1.41 U13.E4 | length 29.1
  Signal_T w0.096: v1(30.708,14.268) 30.791,14.268 31.105,13.954 34.034,13.954 34.071,13.992 36.979,13.992 37.155,14.168 U1.41@37.155,14.84
  Signal_T w0.102: v1@22.301,17.868 v1@22.347,17.914
  Signal_T w0.229: v1@22.314,17.947 22.341,17.947 U13.E4@22.707,18.313
  Signal_INT w0.127: v1(30.708,14.268) 31.494,14.268 v1@34.144,11.618
  Signal_B w0.096: v1@22.314,17.947 22.314,17.376 22.974,16.716 23.492,16.716 24.256,15.952 26.341,15.952 28.107,14.185 v1@30.55,14.185
  Signal_B w0.127: v1(34.265,11.43) 34.265,10.435 35.782,8.918 ; R43.2@35.129,8.433 35.614,8.918 35.782,8.918 ; P1.6@36.474,6.706 36.398,6.782 36.398,8.302 35.782,8.918
  other v1: 22.307,17.913
FX3_SSRX_N: U13.A3 U17.1 | length 4.5
  Signal_T w0.115: 17.926,18.841 19.715,18.841
  Signal_T w0.117: U17.1@17.235,19.009 17.439,19.009 17.48,18.968 17.48,18.824 17.563,18.741 17.826,18.741 17.926,18.841 ; U13.A3@19.507,17.513 19.507,17.735 19.576,17.804 19.764,17.804 20.027,18.067 20.027,18.529 19.715,18.841
FX3_SSRX_P: U13.A4 U17.16 | length 4.5
  Signal_T w0.117: U17.16@17.085,18.409 17.085,18.609 17.126,18.65 17.183,18.65 17.195,18.662 17.332,18.662 17.473,18.522 17.917,18.522 17.958,18.563 18.017,18.622 18.079,18.622 18.534,18.622 cw(c18.534,18.483) 18.673,18.483 18.673,18.398 ccw(c18.812,18.398) 18.812,18.259 18.932,18.259 ccw(c18.932,18.398) 19.071,18.398 19.071,18.483 cw(c19.21,18.483) 19.21,18.622 19.44,18.622 19.625,18.622 19.808,18.438 19.808,18.158 19.673,18.023 19.576,18.023 19.507,18.092 U13.A4@19.507,18.313
FX3_SSTX_N: U13.A6 U17.5 | length 4.5
  Signal_T w0.117: U17.5@17.085,20.809 17.085,20.609 17.163,20.53 17.315,20.53 17.506,20.722 17.506,20.946 17.735,21.174 18.579,21.174 18.812,20.942 18.812,20.033 19.222,19.623 19.439,19.623 19.507,19.692 U13.A6@19.507,19.913
FX3_SSTX_P: U13.A5 U17.4 | length 4.5
  Signal_T w0.117: U17.4@17.285,20.209 17.442,20.209 17.484,20.25 17.484,20.39 17.533,20.44 17.725,20.631 17.725,20.855 17.825,20.955 18.488,20.955 18.593,20.851 18.593,20.421 cw(c18.475,20.421) 18.475,20.303 18.468,20.303 ccw(c18.468,20.192) 18.356,20.192 18.356,20.043 ccw(c18.468,20.043) 18.468,19.931 18.555,19.931 cw(c18.555,19.814) 18.638,19.897 18.657,19.878 18.927,19.609 19.104,19.431 19.131,19.404 19.439,19.404 19.507,19.335 U13.A5@19.507,19.113